# Altium PCB IM.PcbDoc (continued)
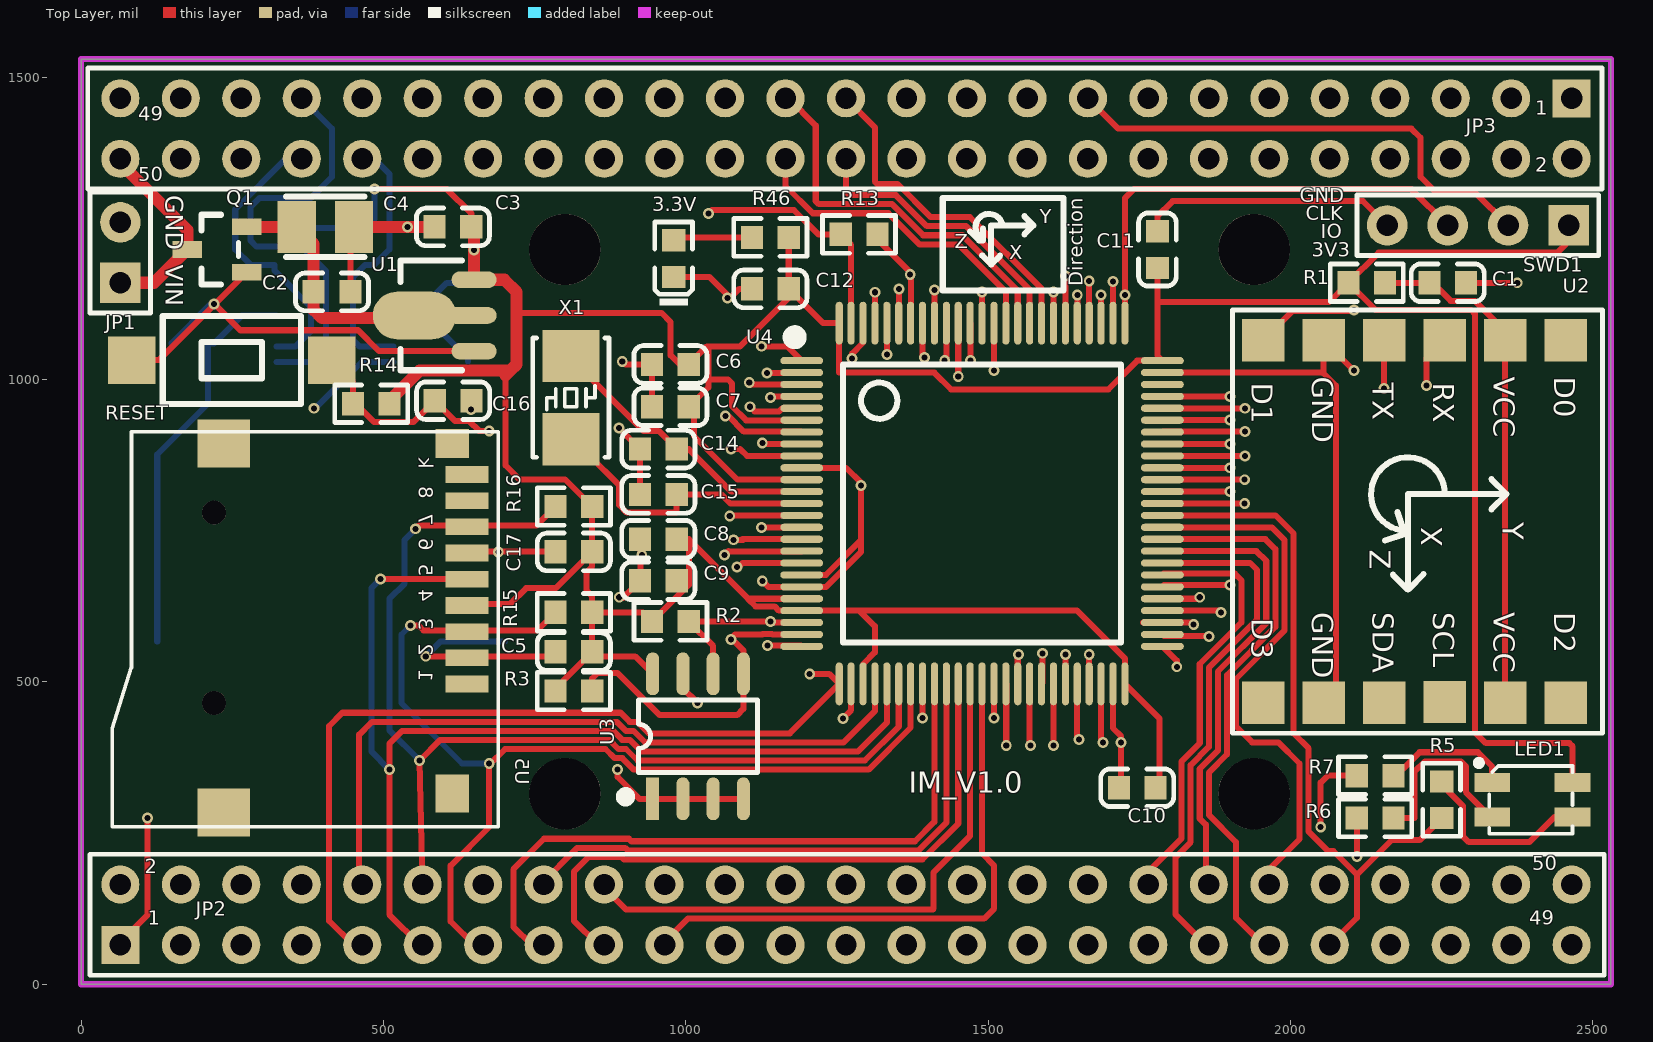
[diagram p0: Top Layer view]
## Nets (pads, with @x,y where several pads share a name; then routed paths per layer and width w, separated by ;. In a path a pad name is that pad's centre, name@x,y a point inside that pad or via, vN(x,y) a via of type N, cw(c..) or ccw(c..) an arc to the next point about the centre after c; other vN are vias at no path point)
3V3: C3.2 C5.2 C6.2 C7.2 C8.2 C9.2 C10.2 C11.2 C12.1 C17.1 LED1.4 R1.2 R2.1 R3.1 R8.2 R9.2 R10.2 R14.2 R15.1 R16.1 R46.1 SWD1.1 U1.3 U3.8 U4.6 U4.11 U4.21 U4.22 U4.28 U4.50 U4.75 U4.100 U5.4 | length 7573.8
  Top Layer w10: v1(485,1315) 605,1315 645.32,1274.68 C3.2 ; U5.4@633.39,628.94 710,628.94 736.06,655 785.32,655 C17.1 ; 702.17,1007.17 702.17,857.83 725,835 800.31,835 R16.1 C17.1 ; 720,1110 960,1110 975,1095 975,1040 990,1025 C6.2 1035,1055 ; R3.1 784.69,489.37 C5.2 ; U3.8 916.34,542.32 852.99,542.32 C5.2 ; 1037.72,987.28 1037.72,987.72 ; R46.1 C12.1 ; U4.21 1103.43,637.51 ; U4.11 1085.64,834.36 1013.31,906.69 1013.31,955 C7.2 1037.72,987.72 ; U4.6 1191.47,932.5 1100,932.5 1076.21,956.29 1076.21,993.79 1070,1000 1037.72,1000 ; U4.28 1293.15,529.09 1312.83,548.77 1312.83,592.17 1287.17,617.83 ; C10.2 1783.24,331.34 1783.24,439.73 U4.50 1726.22,538.78 1647.13,617.87 1536,617.87 1287.17,617.83 ; C11.2 1780,1128.24 ; U4.75 1746.59,1031.21 1698.94,983.57 1438.74,983.57 1410.93,1011.37 1253.78,1011.37 U4.100 1227.08,1093.24 C12.1 ; U4.75 1780,1039.46 1780,1128.24 ; SWD1.1 2460,1228.54 2441.46,1210 2145.79,1210 R1.2 ; LED1.4 2466.5,393.5 2461.36,398.64 2323.25,398.64 2305,416.89 2305,1108.79 2298.79,1115 2140.79,1115 R1.2 ; C5.2 R15.1 ; R15.1 845.31,641.6 836,650.92 836,681.24 845.31,690.56 C17.1 ; R15.1 929.37,615 R2.1 1005,660.63 1005,735.94 1103.43,637.51 ; 1035,1055 1090,1055 1170.32,1135.32 C12.1 ; 1035,1055 1037.72,1052.28 1037.72,1000 ; 1037.72,987.72 1037.72,1000 ; 1103.43,637.51 1102.8,637.51 1115.32,625 1146.87,625 1154.04,617.83 U4.22 1287.17,617.83 ; 1780,1128.24 2064.03,1128.24 R1.2
  Top Layer w20: R14.2@510,965 560,1015 710,1015 ; C3.2 650,1247.72 v1(650,1214.1) U1.3 700,1165 720,1145 720,1110 720,1025 710,1015 ; 702.17,1007.17 710,1015
  Bottom Layer w10: R8.2 R9.2 R10.2 485,1265.32 v1(485,1315)
3V3_JY: C1.1 R1.1 U2.2 U2.8 | length 846.1
  Top Layer w10: R1.1 C1.1 2235,1160 2265,1130 2305,1130 2355,1080 U2.2 U2.8
BOOT0: JP3.36 R13.1 U4.94 | length 971.3
  Top Layer w10: R13.1 1316.88,1231.76 1371.27,1177.37 v1@1371.27,1168.1 ; v1(1371.2,1173.96) 1371.2,1168.17 v1@1371.27,1168.1 ; U4.94 1372.78,1094.13 1372.78,1166.59 v1@1371.27,1168.1
  Signal Layer1 w10: JP3.36 765,1315 785,1295 840,1295 885,1250 885,1197.43 932.43,1150 1036.1,1150 1096.1,1210 1335.17,1210 v1(1371.2,1173.96)
EEPROM_SCL: JP2.6 R2.2 U3.6 U4.23 | length 1388.8
  Top Layer w10: R2.2 R2.2@1006.86,598.14 ; U3.6 1045.32,559.68 R2.2@1006.86,598.14 ; U4.23 1145,598.14 1143.14,600 v1(1140,600) 1008.71,600 R2.2@1006.86,598.14
  Signal Layer1 w10: JP2.6@260,165 260,231.21 443.79,415 872.71,415 1057.71,600 v1(1140,600)
EEPROM_SDA: JP2.7 R3.2 U3.5 U4.24 | length 1672.1
  Top Layer w10: R3.2 845.32,505.67 854.65,515 886.84,515 956.84,445 1085,445 1095.32,455.32 U3.5 1095.32,552.24 1077.56,570 v1(1075,570) 1075,571.92 1081.54,578.46 1126.59,578.46 1127.13,579 1142.87,579 1143.41,578.46 U4.24
  Signal Layer1 w10: JP2.7@360,65 345,65 310,100 310,260 450,400 885.37,400 1055.37,570 v1(1075,570)
GES_RX: JP2.9 U2.4 U4.26 | length 2779.5
  Top Layer w10: JP2.9@460,65 450,65 410,105 410,426.8 432.2,449 892.19,449 907.19,434 919.85,434 938.85,415 1172.03,415 U4.26 1237.18,513.35 v1(1205,513.35) ; v1(2155,985) U2.4
  Signal Layer1 w10: v1(1205,513.35) 1205,670.48 1224.52,690 1463.13,690 1467.13,694 2064,694 2155,785 v1(2155,985)
GES_TX: JP2.8 U2.3 U4.25 | length 2710.8
  Top Layer w10: v1(1135,560) 1190.53,560 U4.25 ; v1(2225,990) 2225,1035.9 2225.45,1035.45 U2.3
  Signal Layer1 w10: JP2.8@362.5,167.5 435,240 884.92,240 943.63,298.7 943.63,428.63 1045,530 1160,530 ; v1(1135,560) 1155,560 1160,555 1160,530 ; v1(2225,990) 2225,820.94 2083.06,679 1473.34,679 1469.34,675 1240,675 1224.25,659.25 1224.25,499.25 1215,490 1186.51,490 1160,516.51 1160,530
GND: 3.3V.K B1.2 C1.2 C2.1 C3.1 C4.2 C5.1 C6.1 C7.1 C8.1 C9.1 C10.1 C11.1 C12.2 C13.2 C14.2 C15.2 C16.1 C17.2 JP1.2 JP2.50 JP3.1 JP3.49 Q1.1 R13.2 RESET.2 SWD1.4 U1.1 U2.5 U2.11 U3.1 U3.2 U3.3 U3.4 U3.7 U4.10 U4.19 U4.20 U4.27 U4.49 U4.74 U4.99 U5.2 U5.6 U*1.4 | length 5206.7
  Top Layer w10: RESET.2 128.78,1032.17 v1@220.81,1124.19 ; Q1.1 v1@220.81,1124.19 ; C2.1 445.32,1246.39 C4.2 ; v1(570,542.32) 777.01,542.32 C5.1 ; U5.6@633.39,715.55 784.13,715.55 C17.2 ; U1.1@661.89,1046.89 U1.1 492.79,1046.89 458.14,1081.54 263.46,1081.54 v1@220.81,1124.19 ; v1(887.13,355) 887.13,342.87 923.35,306.65 U3.1 U3.2 U3.3 U3.4 ; v1(889.37,920) C14.2 C15.2 ; v1(890,640) 895.14,640 896.17,638.96 C9.1 ; v1(895,1030.04) 900.04,1025 C6.1 C7.1 ; C8.1@925,735.94 925,665 C9.1@933.61,656.39 ; 3.3V.K 1038.97,1169.69 1073.65,1135 1088.65,1150 C12.2 ; U3.7 995.32,489.68 v1(1019.69,465.31) ; v1(1037.72,1274.68) 1043.35,1280.31 1178.85,1280.31 1219.17,1240 R13.2 1273.46,1222.79 U4.99 ; v1(1126.59,667.16) 1136.55,657.2 U4.20 1232.2,657.2 1290,715 1290,735 ; U4.19 1231.88,676.88 1290,735 ; U4.10 1265,854.05 1290,829.05 1290,735 ; v1(1260,439.73) 1273.46,453.19 U4.27 ; U4.49 1706.54,423.46 1720,410 v1(1720,400) 1720,328.72 C10.1 ; C11.1 1780,1270 1805,1295 2120,1295 SWD1.4 ; U4.74 2053.47,1011.53 2055,1010 ; U2.11 2075,485.63 2075,990 2055,1010 ; v1(2105,1015) U2.5 2055,1010 ; C1.2 v1(2375,1160)
  Top Layer w20: C4.2 v1(540,1252.32) 584.6,1252.32 C3.1
  Bottom Layer w10: C13.2 214.68,1125 v1(220,1125) ; v1(385,952.47) 387.47,952.47 463.78,1028.78 U*1.4 ; v1(570,542.32) 594.68,567 B1.2 ; v1(890,640) v1@891.04,640 ; v1(1126.59,667.16) v1@1126.59,668.97 ; SWD1.4@2155,1250 SWD1.4
  other v1: 927.32,710 690,715 1290,825 645,950.32 1069.18,1135
LED_B: JP2.41 R5.1 U4.62 | length 1165.7
  Top Layer w10: U4.62 1975.31,775.31 2005,745.62 2005,415 2030,390 2030,252.3 2062.3,220 2071.21,220 2110,181.21 ; JP2.41@2055,65 JP2.41 2110,110 2110,181.21 ; R5.1 2213.64,238.32 2167.11,238.32 2110,181.21
LED_G: JP2.40 R6.1 U4.61 | length 1138.4
  Top Layer w10: U4.61 1969.38,755.62 1990,735 1990,584.77 1910,504.77 1910,426.49 1936.49,400 1980,400 2015,365 2015,240 1960,185 JP2.40@1960,165 ; R6.1 2110,274.69 v1(2110,210.94)
  Signal Layer1 w10: JP2.40@1960,165 JP2.40 1993.79,165 2038.79,210 2109.06,210 v1(2110,210.94)
LED_R: JP2.39 R7.1 U4.60 | length 1383.5
  Top Layer w10: U4.60 1958.44,735.94 1975,719.38 1975,590.99 1895,510.99 1895,380 1865,350 1865,280 1910,235 1910,110 1955,65 JP2.39@1960,65 ; v1(2050,260.32) 2050,333.54 2061.46,345 R7.1
  Signal Layer1 w10: JP2.39@1962.5,62.5 1910,115 1910,175.64 1994.67,260.32 v1(2050,260.32)
Net3.3V_A: 3.3V.A R46.2 | length 131.6
  Top Layer w10: 3.3V.A 984.68,1235 R46.2
NetB1_1: B1.1 C13.1 U*1.8 | length 660
  Bottom Layer w10: B1.1 126,876 210.32,960.32 C13.1 220,1060 265.55,1105.55 U*1.8
NetC2_2: C2.2 C4.1 Q1.2 U1.2 | length 406.8
  Top Layer w20: Q1.2 356.67,1252.4 C4.1 384.68,1224.39 C2.2 384.68,1115.32 398.46,1101.54 544.09,1101.54 545.63,1100 U1.2@551.57,1105.94
NetJP3_2: JP3.2 U2.6 | length 692.8
  Top Layer w10: U2.6 2003.24,1113.24 2103.24,1113.24 v1(2105,1115)
  Signal Layer1 w10: v1(2105,1115) 2210,1220 2210,1295 2225,1310 2435,1310 2465,1340 JP3.2
NetLED1_1: LED1.1 R7.2 | length 215.5
  Top Layer w10: R7.2 2175,345 2213.64,383.64 2310,383.64 2333.5,360.14 LED1.1
NetLED1_2: LED1.2 R6.2 | length 309.8
  Top Layer w10: R6.2 2205,275 2205,351.21 2222.43,368.64 2281.68,368.64 2290,360.32 2290,317.63 2331.17,276.46 LED1.2
NetLED1_3: LED1.3 R5.2 | length 307.6
  Top Layer w10: R5.2 2250,330 2285,295 2285,245 2295,235 2395,235 2436.46,276.46 LED1.3
NetU*1_1: U*1.1 Y1.2 | length 146.1
  Bottom Layer w10: U*1.1 550.55,1105.55 604.96,1159.96 Y1.2
NetU*1_2: U*1.2 Y1.1 | length 147.1
  Bottom Layer w10: U*1.2 595.04,1079.96 640,1035 Y1.1
NRST: C16.2 JP2.1 R14.1 RESET.1 U4.14 | length 2324.4
  Top Layer w10: JP2.1@60,65 110,115 v1(110,275) ; RESET.1@414.63,999.74 RESET.1 449.69,997.11 R14.1@449.69,964.68 ; R14.1 R14.1@449.69,964.68 ; v1(675,915) 658.2,915 641.88,931.32 618.68,931.32 C16.2 550,930 484.37,930 R14.1@449.69,964.68 ; v1(1072.8,774.13) 1073.97,775.31 U4.14
  Signal Layer1 w10: v1(110,275) 197.72,275 540.55,617.83 900,617.83 990.31,708.14 990.31,730.31 ; v1(675,915) 675,905 849.69,730.31 990.31,730.31 ; v1(1072.8,774.13) 1034.13,774.13 990.31,730.31
PA4: JP2.10 U4.29 | length 1189.9
  Top Layer w10: JP2.10@460,165 460,412.83 481.17,434 885.98,434 900.98,419 913.64,419 932.64,400 1261.04,400 1312.83,451.8 U4.29
PA5: JP2.11 U4.30 U5.5 | length 1769
  Top Layer w10: v1(495,670) 637.76,670 640,672.24 U5.5@633.39,672.24 ; JP2.11@560,65 510,115 v1(510,355) 510,397.83 531.17,419 879.77,419 894.77,404 907.43,404 926.43,385 1285,385 1332.52,432.52 U4.30
  Bottom Layer w10: v1(495,670) 480,655 480,385 v1(510,355)
PA6: JP2.12 R16.2 U4.31 U5.7 | length 1787.9
  Top Layer w10: v1(553.21,753.21) 558.86,758.86 753.54,758.86 R16.2 ; JP2.12 v1(560,370) 594,404 873.55,404 888.55,389 901.21,389 920.21,370 1296.13,370 1352.2,426.07 U4.31
  Bottom Layer w10: v1(553.21,753.21) 535,735 535,662.51 510,637.51 510,420 v1(560,370)
PA7: JP2.13 R15.2 U4.32 U5.3 | length 1749.7
  Top Layer w10: v1(545,593.38) 557.88,593.38 566.26,585 754.68,585 R15.2 ; JP2.13@660,65 650,65 611.22,103.78 611.22,196.22 675,260 675,362.83 701.17,389 867.34,389 882.34,374 895,374 914,355 1302.34,355 1371.89,424.55 U4.32
  Bottom Layer w10: v1(545,593.38) 530,578.38 530,465 630,365 v1(675,365)
PA8: JP3.12 U4.67 | length 781
  Top Layer w10: U4.67 v1(1925,873.73)
  Signal Layer1 w10: v1(1925,873.73) 1951.16,873.73 2010,932.57 2010,1025 1863.78,1171.22 1863.78,1262.57 1965,1363.79 JP3.12
PA9: JP3.13 U4.68 | length 852.2
  Top Layer w10: U4.68 v1(1900,893.42)
  Signal Layer1 w10: JP3.13 1870,1465 1910,1425 1910,1330 1848.78,1268.78 1848.78,1152.43 1985,1016.21 1985,928.79 1953,896.79 1934.37,896.79 1932.87,895.29 1917.13,895.29 1915.63,896.79 1903.37,896.79 v1(1900,893.42)
PA10: JP3.14 U4.69 | length 690.6
  Top Layer w10: U4.69 1789.43,914.29 1891.63,914.29 1892.13,913.79 1907.87,913.79 1908.37,914.29 v1(1925,914.29)
  Signal Layer1 w10: JP3.14 1833.78,1333.78 1833.78,1146.22 1970,1010 1970,935 1949.29,914.29 v1(1925,914.29)
PA11: JP3.15 U4.70 | length 779.7
  Top Layer w10: U4.70 v1(1900,932.79)
  Signal Layer1 w10: JP3.15 1780,1465 1818.78,1426.22 1818.78,1136.22 1955,1000 1955,945 1942.79,932.79 1933.37,932.79 1932.87,933.29 1917.13,933.29 1916.63,932.79 v1(1900,932.79)
PA12: JP3.16 U4.71 | length 615.6
  Top Layer w10: U4.71 v1(1925,952.47)
  Signal Layer1 w10: JP3.16 1770.63,1359.37 1770.63,1154.37 1925,1000 v1(1925,952.47)
PA13: JP3.17 SWD1.2 U4.72 | length 1530.8
  Top Layer w10: JP3.17 1715,1415 2200,1415 2215,1400 2215,1335 2240,1310 2305,1310 SWD1.2 ; U4.72 v1(1900,972.16)
  Signal Layer1 w10: JP3.17 1680,1465 1715,1430 1715,1260 1755,1220 1755,1145 1900,1000 v1(1900,972.16)
PA14: JP3.18 SWD1.3 U4.76 | length 1022
  Top Layer w10: U4.76 v1(1726.22,1140) 1726.22,1300.01 1741.21,1315 2200,1315 SWD1.3
  Signal Layer1 w10: JP3.18 1680,1350 1680,1260 1726.22,1213.78 v1(1726.22,1140)
PA15: JP3.19 U4.77 | length 439.2
  Top Layer w10: U4.77 v1(1706.54,1162.28)
  Signal Layer1 w10: JP3.19 1580,1465 1615,1430 1615,1351.21 1662.48,1303.73 1662.48,1231.16 1706.54,1187.1 v1(1706.54,1162.28)
PB0: JP2.16 U4.35 | length 946.3
  Top Layer w10: JP2.16@760,165 820.61,225.61 899.63,225.61 903.74,221.5 1385.28,221.5 1430.94,267.16 1430.94,439.73 U4.35
PB1: JP2.17 U4.36 | length 1045.8
  Top Layer w10: JP2.17@860,65 855,65 815,105 815,186.21 839.39,210.61 893.42,210.61 897.53,206.5 1391.5,206.5 1450.63,265.63 1450.63,415 U4.36
PB2/BOOT1: JP2.18 U4.37 | length 964.5
  Top Layer w10: JP2.18@860,165 901.5,123.5 1408.5,123.5 1410,125 1410,185 1470.32,245.32 1470.32,440.04 U4.37
PB3: JP3.31 U4.89 | length 900.3
  Top Layer w10: U4.89 1470.92,1092.64 v1(1470.92,1031.21)
  Signal Layer1 w10: JP3.31 1015,1415 1015,1328.79 1057.57,1286.21 1390,1286.21 1470.92,1205.3 v1(1470.92,1031.21)
PB4: JP3.32 U4.90 | length 971.3
  Top Layer w10: v1(1450.63,1005) U4.90
  Signal Layer1 w10: JP3.32 965,1220 970,1215 1010,1215 1066.21,1271.21 1383.79,1271.21 1450.63,1204.37 v1(1450.63,1005)
PB5: JP3.33 U4.91 | length 1070.6
  Top Layer w10: v1(1428.21,1031.21) 1430.94,1033.95 U4.91
  Signal Layer1 w10: JP3.33 870,1465 915,1420 915,1286.21 930,1271.21 930,1216.07 951.07,1195 1017.46,1195 1078.67,1256.21 1368.79,1256.21 1435.63,1189.37 1435.63,1043.58 1428.21,1036.16 v1(1428.21,1031.21)
PB6: JP3.34 U4.92 | length 825.3
  Top Layer w10: U4.92 v1(1411.26,1147.76)
  Signal Layer1 w10: JP3.34 865,1315 915,1265 915,1209.85 944.85,1180 1023.67,1180 1083.67,1240 1358.64,1240 1411.26,1187.38 v1(1411.26,1147.76)
PB7: JP3.35 U4.93 | length 1086.8
  Top Layer w10: U4.93 1391.57,1039.64 v1(1395,1036.21)
  Signal Layer1 w10: JP3.35 815,1415 815,1325 830,1310 846.21,1310 900,1256.21 900,1203.64 938.64,1165 1029.88,1165 1089.88,1225 1352.43,1225 1392.26,1185.17 1392.26,1155.63 1390,1153.37 1390,1041.21 v1(1395,1036.21)
PB8: JP3.37 U4.95 | length 1056.4
  Top Layer w10: U4.95@1352.43,1096.17 v1(1352.43,1150)
  Signal Layer1 w10: JP3.37 715,1415 715,1187.43 767.43,1135 1042.31,1135 1102.31,1195 1310.29,1195 1352.43,1152.86 v1(1352.43,1150)
PB9: JP3.38 U4.96 | length 1081.6
  Top Layer w10: v1(1332.52,1041.21) U4.96
  Signal Layer1 w10: JP3.38 680,1350 680,1163.1 688.1,1155 726.21,1155 766.21,1115 1087.57,1115 1152.57,1180 1304.07,1180 1332.52,1151.56 v1(1332.52,1041.21)
PB10: JP2.28 U4.47 | length 665.5
  Top Layer w10: U4.47 v1(1667.17,545)
  Signal Layer1 w10: JP2.28@1360,165 1360,215 1401,256 1507.36,256 1511.36,260 1590.25,260 1669,338.75 1669,412.56 1667.17,414.39 v1(1667.17,545)
PB11: JP2.29 U4.48 | length 674.5
  Top Layer w10: U4.48@1686.85,493.05 1686.85,403.15 v1(1690,400)
  Signal Layer1 w10: JP2.29@1460,65 1441.26,65 1410,96.26 1410,225 1423.78,238.78 1511.35,238.78 1517.57,245 1596.46,245 1690,338.54 v1(1690,400)
PB12: JP2.30 U4.51 | length 595.6
  Top Layer w10: U4.51 1812.02,535 v1(1812.02,525)
  Signal Layer1 w10: JP2.30@1460,165 1462.5,167.5 1462.5,168.71 1523.79,230 1602.68,230 1812.02,439.34 v1(1812.02,525)
PB13: JP2.31 U4.52 | length 809.6
  Top Layer w10: U4.52 1790.7,576 1864,576 v1(1865,575)
  Signal Layer1 w10: JP2.31@1560,65 1550,65 1510,105 1510,195 1530,215 1608.89,215 1865,471.11 1865,573.46 v1(1865,575) v1@1865,576.54
PB14: JP2.32 U4.53 | length 710.3
  Top Layer w10: JP2.32@1560,165 JP2.32@1560,165.61 ; U4.53@1755.91,598.14 U4.53 1836.86,598.14 v1(1840,595)
  Signal Layer1 w10: JP2.32@1560,165 1562.5,167.5 1582.6,167.5 1887.83,472.73 1887.83,584.04 1872.87,599 1844,599 1845,598 1842,595 v1(1840,595)
PB15: JP2.33 U4.54 | length 816.7
  Top Layer w10: JP2.33@1660,65 JP2.33 JP2.33@1676.54,65 ; U4.54 1882.17,617.83 v1(1885,615)
  Signal Layer1 w10: JP2.33@1662.5,62.5 1615,110 1615,178.68 1905,468.68 1905,597.83 1887.83,615 v1(1885,615)
PC0: JP2.2 U4.15 | length 1388.7
  Top Layer w10: v1(1125,755.62) U4.15
  Signal Layer1 w10: JP2.2 65,193.79 121.21,250 193.93,250 508.93,565 870.33,565 1060.95,755.62 1064.44,755.62 1064.93,755.13 1080.67,755.13 1081.15,755.62 v1(1125,755.62)
PC1: JP2.3 U4.16 | length 1456.1
  Top Layer w10: v1(1078.79,735) 1095,735 1094.06,735.94 U4.16
  Signal Layer1 w10: JP2.3@162.5,62.5 110,115 110,185 145,220 185.15,220 480.15,515 841.54,515 1061.54,735 v1(1078.79,735)
PC2: JP2.4 U4.17 | length 1279
  Top Layer w10: v1(1064.25,710) 1070.51,716.25 1070.66,716.25 1070.92,716 1191.5,716 U4.17
  Signal Layer1 w10: JP2.4@160,165 162.5,167.5 162.5,176.14 476.36,490 867.61,490 1064.25,686.64 v1(1064.25,710)
PC3: JP2.5 U4.18 | length 1377.7
  Top Layer w10: v1(1085,690) 1087.5,690 1094.07,696.57 U4.18
  Signal Layer1 w10: JP2.5@260,65 245,65 210,100 210,202.43 437.57,430 866.5,430 1085,648.5 v1(1085,690)
PC4: JP2.14 U4.33 | length 914.8
  Top Layer w10: v1(1391.57,440) U4.33
  Signal Layer1 w10: JP2.14@662.5,167.5 720,225 897.02,225 997.02,325 1235.29,325 1306.29,396 1375.1,396 1391.57,412.47 v1(1391.57,440)
PC5: JP2.15 U4.34 | length 1112.7
  Top Layer w10: JP2.15@760,65 745,65 715,95 715,190 765.61,240.61 905.84,240.61 909.95,236.5 1379.07,236.5 1411.26,268.69 1411.26,415 U4.34
PC6: JP3.8 U4.63 | length 834.7
  Top Layer w10: U4.63 v1(1924.36,794.99)
  Signal Layer1 w10: v1(1924.36,794.99) 1964.99,794.99 2075,905 2075,1283.79 2156.21,1365 JP3.8
PC7: JP3.9 U4.64 | length 909.9
  Top Layer w10: U4.64 v1(1900,814.68)
  Signal Layer1 w10: v1(1900,814.68) 1957.11,814.68 2055,912.57 2055,1285 2110,1340 2110,1435 2080,1465 JP3.9
PC8: JP3.10 U4.65 | length 743.3
  Top Layer w10: U4.65 v1(1924.36,834.36)
  Signal Layer1 w10: v1(1924.36,834.36) 1955.58,834.36 2040,918.79 2040,1340 JP3.10
PC9: JP3.11 U4.66 | length 831
  Top Layer w10: U4.66 v1(1900,854.05)
  Signal Layer1 w10: v1(1900,854.05) 1954.05,854.05 2025,925 2025,1265 2010,1280 2010,1420 JP3.11
PC10: JP3.20 U4.78 | length 338.3
  Top Layer w10: U4.78 v1(1686.85,1140)
  Signal Layer1 w10: JP3.20 1565,1280 1610,1235 1637.43,1235 1686.85,1185.58 v1(1686.85,1140)
PC11: JP3.21 U4.79 | length 486.1
  Top Layer w10: U4.79 v1(1667.17,1162.76)
  Signal Layer1 w10: JP3.21 1480,1465 1515,1430 1515,1296.38 1601.53,1209.85 1638.79,1209.85 1662.48,1186.16 1662.48,1167.44 v1(1667.17,1162.76)
PC12: JP3.22 U4.80 | length 369.2
  Top Layer w10: U4.80 v1(1647.48,1140)
  Signal Layer1 w10: JP3.22 1465,1325.17 1595.32,1194.85 1632.57,1194.85 1647.48,1179.95 v1(1647.48,1140)
PC13: JP3.46 U4.7 | length 1143.2
  Top Layer w10: v1(1065.39,940) 1070,940 1096,914 1190.86,914 U4.7
  Signal Layer1 w10: JP3.46 265,1315 570,1010 680,1010 750,940 v1(1065.39,940)
PC14: JP3.47 U4.8 | length 1317.3
  Top Layer w10: v1(1126.59,895) 1128.17,893.42 U4.8
  Signal Layer1 w10: JP3.47 215,1415 215,1336.21 566.21,985 683.43,985 760,908.43 768.43,900 1059.25,900 1067.69,908.43 1081.57,908.43 1095.79,894.21 1096.57,895 v1(1126.59,895)
PC15: JP3.48 U4.9 | length 1230.2
  Top Layer w10: v1(1075,885) 1090,885 1101.27,873.73 U4.9
  Signal Layer1 w10: JP3.48 560,970 677.22,970 762.22,885 v1(1075,885)
PD0: JP3.23 U4.81 | length 507
  Top Layer w10: U4.81 v1(1627.8,1171.22)
  Signal Layer1 w10: JP3.23 1380,1465 1415,1430 1415,1353.95 1589.1,1179.85 1619.16,1179.85 v1(1627.8,1171.22)
PD1: JP3.24 U4.82 | length 389.1
  Top Layer w10: U4.82 v1(1608.11,1145)
  Signal Layer1 w10: JP3.24 1388.11,1365 1388.11,1359.63 1599.99,1147.76 1605.35,1147.76 v1(1608.11,1145)
PD2: JP3.25 U4.83 | length 563.5
  Top Layer w10: JP3.25 1312.83,1417.17 1312.83,1327.17 1316.5,1323.5 1350.14,1323.5 1405,1268.64 1470.01,1268.64 1588.43,1150.22 U4.83
PD3: JP3.26 U4.84 | length 481
  Top Layer w10: JP3.26 1265,1310 1270,1305 1347.43,1305 1398.79,1253.64 1463.79,1253.64 1568.74,1148.69 U4.84
PD4: JP3.27 U4.85 | length 642.9
  Top Layer w10: JP3.27 1170,1465 1215,1420 1215,1295 1220,1290 1341.21,1290 1392.57,1238.64 1457.58,1238.64 1549.06,1147.17 U4.85
PD5: JP3.28 U4.86 | length 530.4
  Top Layer w10: JP3.28@1159.42,1359.42 1165,1353.84 1165,1320 1210,1275 1335,1275 1386.36,1223.64 1450.73,1223.64 1529.37,1145 U4.86
PD6: JP3.29 U4.87 | length 880.9
  Top Layer w10: v1(1509.68,1015) 1509.99,1093.24 1510,1095 U4.87
  Signal Layer1 w10: JP3.29 1110,1420 1110,1335 1128.79,1316.21 1410.32,1316.21 1509.68,1216.84 v1(1509.68,1015)
PD7: JP3.30 U4.88 | length 639.4
  Top Layer w10: U4.88 v1(1490,1145)
  Signal Layer1 w10: JP3.30 1065,1305.39 1069.18,1301.21 1396.21,1301.21 1490,1207.43 v1(1490,1145)
PD8: JP2.34 U4.55 | length 707.4
  Top Layer w10: U4.55 1847.51,637.51 v1(1850,640)
  Signal Layer1 w10: JP2.34@1660,165 1662.5,167.5 1673.72,167.5 1745,238.78 1745,280 1920,455 1920,615 1896.04,638.96 1851.04,638.96 v1(1850,640)
PD9: JP2.35 U4.56 | length 792.3
  Top Layer w10: U4.56 1791.05,660 v1(1900,660)
  Signal Layer1 w10: JP2.35@1762.5,67.5 1812.02,117.02 1812.02,322.02 1936.13,446.13 1936.13,621.07 1900,657.2 v1(1900,660)
PD10: JP2.36 U4.57 | length 705
  Top Layer w10: JP2.36@1760,165 1760,181.21 1820,241.21 1820,368.64 1850,398.64 1850,529.62 1919,598.62 1919,667.87 1907.87,679 1790.36,679 U4.57
PD11: JP2.37 U4.58 | length 858.2
  Top Layer w10: U4.58 1933.43,696.57 1945,685 1945,603.41 1865,523.41 1865,392.43 1835,362.43 1835,235 1810,210 1810,115 JP2.37@1860,65
PD12: JP2.38 U4.59 | length 763.2
  Top Layer w10: U4.59 1943.75,716.25 1960,700 1960,597.2 1880,517.2 1880,386.21 1850,356.21 1850,273.79 1860,263.79 JP2.38@1860,165
PE0: JP3.39 U4.97 | length 1139.6
  Top Layer w10: U4.97 v1(1312.83,1144.37)
  Signal Layer1 w10: JP3.39 565,1455 615,1405 615,1155 635,1135 719.85,1135 754.85,1100 1096.4,1100 1161.4,1165 1295,1165 1312.83,1147.17 v1(1312.83,1144.37)
PE1: JP3.40 U4.98 | length 1026.7
  Top Layer w10: v1(1275,1035) 1275,1042.75 1293.15,1060.9 U4.98
  Signal Layer1 w10: JP3.40 565,1170 625,1110 723.64,1110 758.64,1075 1140,1075 1180,1035 v1(1275,1035)
PE2: JP3.41 U4.1 | length 1035.3
  Top Layer w10: v1(1125,1055) 1167.97,1055 U4.1
  Signal Layer1 w10: JP3.41 515,1415 515,1195 615,1095 717.43,1095 757.43,1055 v1(1125,1055)
PE3: JP3.42 R10.1 U4.2 U*1.3 | length 1411.5
  Top Layer w10: v1(1134.16,1010.84) U4.2@1189.38,1010.84
  Signal Layer1 w10: JP3.42 461.21,1361.21 461.21,1206.21 587.43,1080 711.21,1080 780.17,1011.04 934.41,1011.04 943.37,1020 1125,1020 v1(1134.16,1010.84)
  Bottom Layer w10: JP3.42 485,1365 510,1340 510,1215 484.69,1189.69 R10.1 450,1169.69 450,1065 460.63,1054.37 U*1.3
PE4: JP3.43 R9.1 U4.3 U*1.5 | length 1864.5
  Top Layer w10: v1(1105,995) 1105,993.24 1106.4,991.84 U4.3
  Signal Layer1 w10: JP3.43 415,1415 415,1231.21 581.21,1065 705,1065 775,995 v1(1105,995)
  Bottom Layer w10: U*1.5 393.78,1028.78 405,1040 405,1179.69 R9.1 364.84,1219.84 290.16,1219.84 280,1230 280,1285 295,1300 380,1300 415,1335 415,1415 JP3.43
PE5: JP3.44 R8.1 U4.4 U*1.6 | length 1540.8
  Top Layer w10: v1(1140,970) 1142.16,972.16 U4.4
  Signal Layer1 w10: JP3.44 365,1260 580,1045 695,1045 760,980 1076.21,980 1082.21,974 1136,974 v1(1140,970)
  Bottom Layer w10: U*1.6 354.37,1054.37 380,1080 380,1120 320,1180 R8.1 280.31,1189.69 255,1215 255,1281.21 338.79,1365 JP3.44
PE6: JP3.45 U4.5 | length 1218.6
  Top Layer w10: v1(1106.4,955) 1113.9,947.5 1154.45,947.5 1159.42,952.47 U4.5
  Signal Layer1 w10: JP3.45 315,1415 315,1286.21 571.21,1030 681.21,1030 746.21,965 1070,965 1080,955 v1(1106.4,955)
PE7: JP2.19 U4.38 | length 954.9
  Top Layer w10: JP2.19@960,65 1003.5,108.5 1493.5,108.5 1510,125 1510,196.22 1490,216.22 1490,415 U4.38
PE8: JP2.20 U4.39 | length 795.9
  Top Layer w10: v1(1509.68,440.04) U4.39
  Signal Layer1 w10: JP2.20@960,165 960,245 1025,310 1241.51,310 1307.51,376 1446,376 1455.69,385.69 1504.43,385.69 1509.68,390.94 v1(1509.68,440.04)
PE9: JP2.21 U4.40 | length 898
  Top Layer w10: U4.40 1530,496.12 v1(1530,395)
  Signal Layer1 w10: JP2.21@1060,65 1060,67.02 1010,117.02 1010,248.79 1056.21,295 1247.72,295 1313.72,361 1409.98,361 1456,361 1465.69,370.69 1524.43,370.69 1530,376.26 v1(1530,395)
PE10: JP2.22 U4.41 | length 835.7
  Top Layer w10: U4.41 1549.06,544.06 v1(1550,545)
  Signal Layer1 w10: JP2.22@1060,165 1060,227.09 1112.91,280 1253.93,280 1319.93,346 1403.77,346 1470.08,346 1474.08,350 1535,350 1549,364 1549,541.09 v1@1547.5,542.59
PE11: JP2.23 U4.42 | length 846.2
  Top Layer w10: U4.42 1568.74,396.26 v1(1570,395)
  Signal Layer1 w10: JP2.23@1162.5,62.5 1110,115 1110,230 1145,265 1260.15,265 1326.15,331 1476.29,331 1480.29,335 1555,335 1570,350 v1(1570,395)
PE12: JP2.24 U4.43 | length 797.1
  Top Layer w10: U4.43 1590,498.32 v1(1590,547.32)
  Signal Layer1 w10: JP2.24@1160,165 1160,231.21 1178.79,250 1266.36,250 1332.36,316 1482.51,316 1486.51,320 1565.4,320 1589,343.6 1589,541.75 1590,542.75 v1(1590,547.32)
PE13: JP2.25 U4.44 | length 788.2
  Top Layer w10: v1(1608.11,395) U4.44
  Signal Layer1 w10: JP2.25@1260,65 1250,65 1210,105 1210,225 1220,235 1272.57,235 1338.57,301 1488.72,301 1492.72,305 1571.61,305 1608.11,341.5 v1(1608.11,395)
PE14: JP2.26 U4.45 | length 714.8
  Top Layer w10: U4.45 v1(1627.8,545)
  Signal Layer1 w10: JP2.26@1260,165 1260,201.21 1344.79,286 1494.93,286 1498.93,290 1577.82,290 1627.8,339.97 v1(1627.8,545)
PE15: JP2.27 U4.46 | length 725
  Top Layer w10: U4.46 1646.69,495.96 1646.69,408 v1(1650,404.69)
  Signal Layer1 w10: JP2.27@1360,65 1315,110 1315,235 1351,271 1501.15,271 1505.15,275 1584.04,275 1650,340.96 v1(1650,404.69)
VIN: JP1.1 JP3.50 Q1.3 | length 329.5
  Top Layer w20: JP1.1 120.79,1160 Q1.3 175.79,1247.24 65,1358.03 JP3.50
X1: C14.1 U4.12 X1.2 | length 451.9
  Top Layer w10: X1.2 810,1035 930,915 955,915 C14.1 ; 1005,885 1075.32,814.68 U4.12@1186.76,814.68
X2: C15.1 U4.13 X1.1 | length 497.4
  Top Layer w10: X1.1 810,875 840.06,875 890,825.06 890,792.63 902.63,780 985,780 C15.1 1058.79,810 1073.79,794.99 U4.13@1186.76,794.99
pads on no net: JP2.42 JP2.43 JP2.44 JP2.45 JP2.46 JP2.47 JP2.48 JP2.49 JP3.3 JP3.4 JP3.5 JP3.6 JP3.7 U2.1 U2.7 U2.9 U2.10 U2.12 U4.73 U5.0 U5.1 U5.8 U5.9 U5.10 U*1.7

## Polygon pours and split planes (outlines as drawn)
GND on Bottom Layer "Bottom Layer-GND" (solid, remove dead copper, pour order 0): 0,1530 0,0 2530,0 2530,1530
GND on GND Layer (split plane): 2509.9,20.1 20.1,20.1 20.1,110 20.1,1509.9 2509.9,1509.9

## Keep-outs
Keep-Out Layer:
  lines w10: 0,0 0,110 0,1530 2530,1530 2530,0 1282.5,0 465,0 0,0

## Silkscreen, mask and mechanical layers (free items; w line width, h text height)
Top Overlay:
  lines w10: 1470,1245 1485,1230 1491.18,1230 1491.18,1250 ; 1490,1205 1490.71,1205 1505,1190.71 1505,1255 1575,1255 ; 1490,1232.79 cw(c1501.52,1251.78) 1523.5,1255 ; 1505,1190.35 1505.35,1190.35 1520,1205 ; 1560,1240 1575,1255 ; 1560,1270 1575,1255 ; 1425,1147.17 1625,1147.17 1625,1300 1425,1300 1425,1290 1425,1147.17
  text "GND" at 130,1305 h50 r270
  text "GND" at 2015,1285 h40
  text "CLK" at 2025,1255 h40
  text "Y" at 1585,1250 h40
  text "IO" at 2050,1225 h40
  text "Z" at 1445,1208.9 h40
  text "3V3" at 2035,1195 h40
  text "X" at 1535,1190.71 h40
  text "VIN" at 130,1190 h50 r270
  text "Direction" at 1665,1154.57 h40 r90
  text "IM_V1.0" at 1368.79,305 h60
Bottom Overlay:
  lines w10: 15,1212.5 117.5,1212.5 192.5,1212.5 ; 120,1320 120,1310 120,1105 ; 195,1320 195,1106.46 193.54,1105 120,1105 ; 2210,1159.69 2210,1209.25 ; 2210,1215 2210,1300 ; 2305,1160 2305,1209.57 ; 2305,1215 2305,1300 ; 2405,1160 2405,1215 2405,1300 ; 2410,1209.57 2505,1209.57 ; 15,1320 15,1105 120,1105 ; 15,1320 2515,1320 2515,1515 15,1515 15,1320 ; 2105,1209.57 2105,1160 2505,1160 2505,1209.57 ; 2105,1209.57 2105,1300 2505,1300 2505,1209.57 ; 2105,1209.57 2505,1209.57 ; 15,15 2515,15 2515,215 15,215 15,15
  text "1" at 2420,1430 h40
  text "49" at 135,1420 h40
  text "JP3" at 2342.36,1400 h40
  text "2" at 2420,1340 h40
  text "50" at 135,1330 h40
  text "GND" at 150,1230 h40 r270
  text "GND" at 2190,1172 h40
  text "IO" at 2375,1172 h40
  text "3V3" at 2490,1172 h40
  text "CLK" at 2290,1170 h40
  text "VIN" at 145,1135 h40 r270
  text "50" at 2425,180 h40
  text "2" at 119.57,175 h40
  text "JP2" at 240,105 h40
  text "49" at 2427.48,90 h40
  text "1" at 115,85 h40

## Text inside footprints (layer, text, board x,y; h text height)
JP2: Top Overlay "1" at 110,90 h40; Top Overlay "2" at 105,175 h40; Top Overlay "50" at 2400,180 h40; Top Overlay "49" at 2395,90 h40
JP3: Top Overlay "1" at 2405,1430 h40; Top Overlay "2" at 2405,1335 h40; Top Overlay "50" at 95,1320 h40; Top Overlay "49" at 95,1420 h40
U2: Top Overlay "Y" at 2351.37,763.63 h35 r270; Top Overlay "X" at 2251.37,723.63 h35 r90; Top Overlay "Z" at 2131.37,718.63 h35 r270; Top Overlay "VCC" at 2336,1005 h35 r270; Top Overlay "VCC" at 2336,615 h35 r270; Top Overlay "GND" at 2036,1005 h35 r270; Top Overlay "GND" at 2036,615 h35 r270; Top Overlay "RX" at 2236,995 h35 r270; Top Overlay "TX" at 2136,995 h35 r270; Top Overlay "SDA" at 2136,615 h35 r270; Top Overlay "SCL" at 2236,615 h35 r270; Top Overlay "D0" at 2436,1005 h35 r270; Top Overlay "D1" at 1936,995 h35 r270; Top Overlay "D2" at 2436,615 h35 r270; Top Overlay "D3" at 1936,605 h35 r270
U5: Top Overlay "1" at 550,500.54 h40 r270; Top Overlay "2" at 550,543.54 h40 r270; Top Overlay "3" at 550,585.54 h40 r270; Top Overlay "4" at 550,632.54 h40 r270; Top Overlay "5" at 550,674.54 h40 r270; Top Overlay "6" at 550,716.54 h40 r270; Top Overlay "7" at 550,758.54 h40 r270; Top Overlay "8" at 550,802.54 h40 r270; Top Overlay "k" at 550,852.52 h40 r270